# Altium PCB USB3.0HUB.PCBDOC (part 1 of 2)
Units mil, origin at the board's own origin, x right, y up, seen from the top; angles counter-clockwise.
Board outline 3976.38 x 2834.65 mil, 2 copper layers (Top Layer, Bottom Layer); 103 components, 87 nets, 409 pads, 1014 vias.
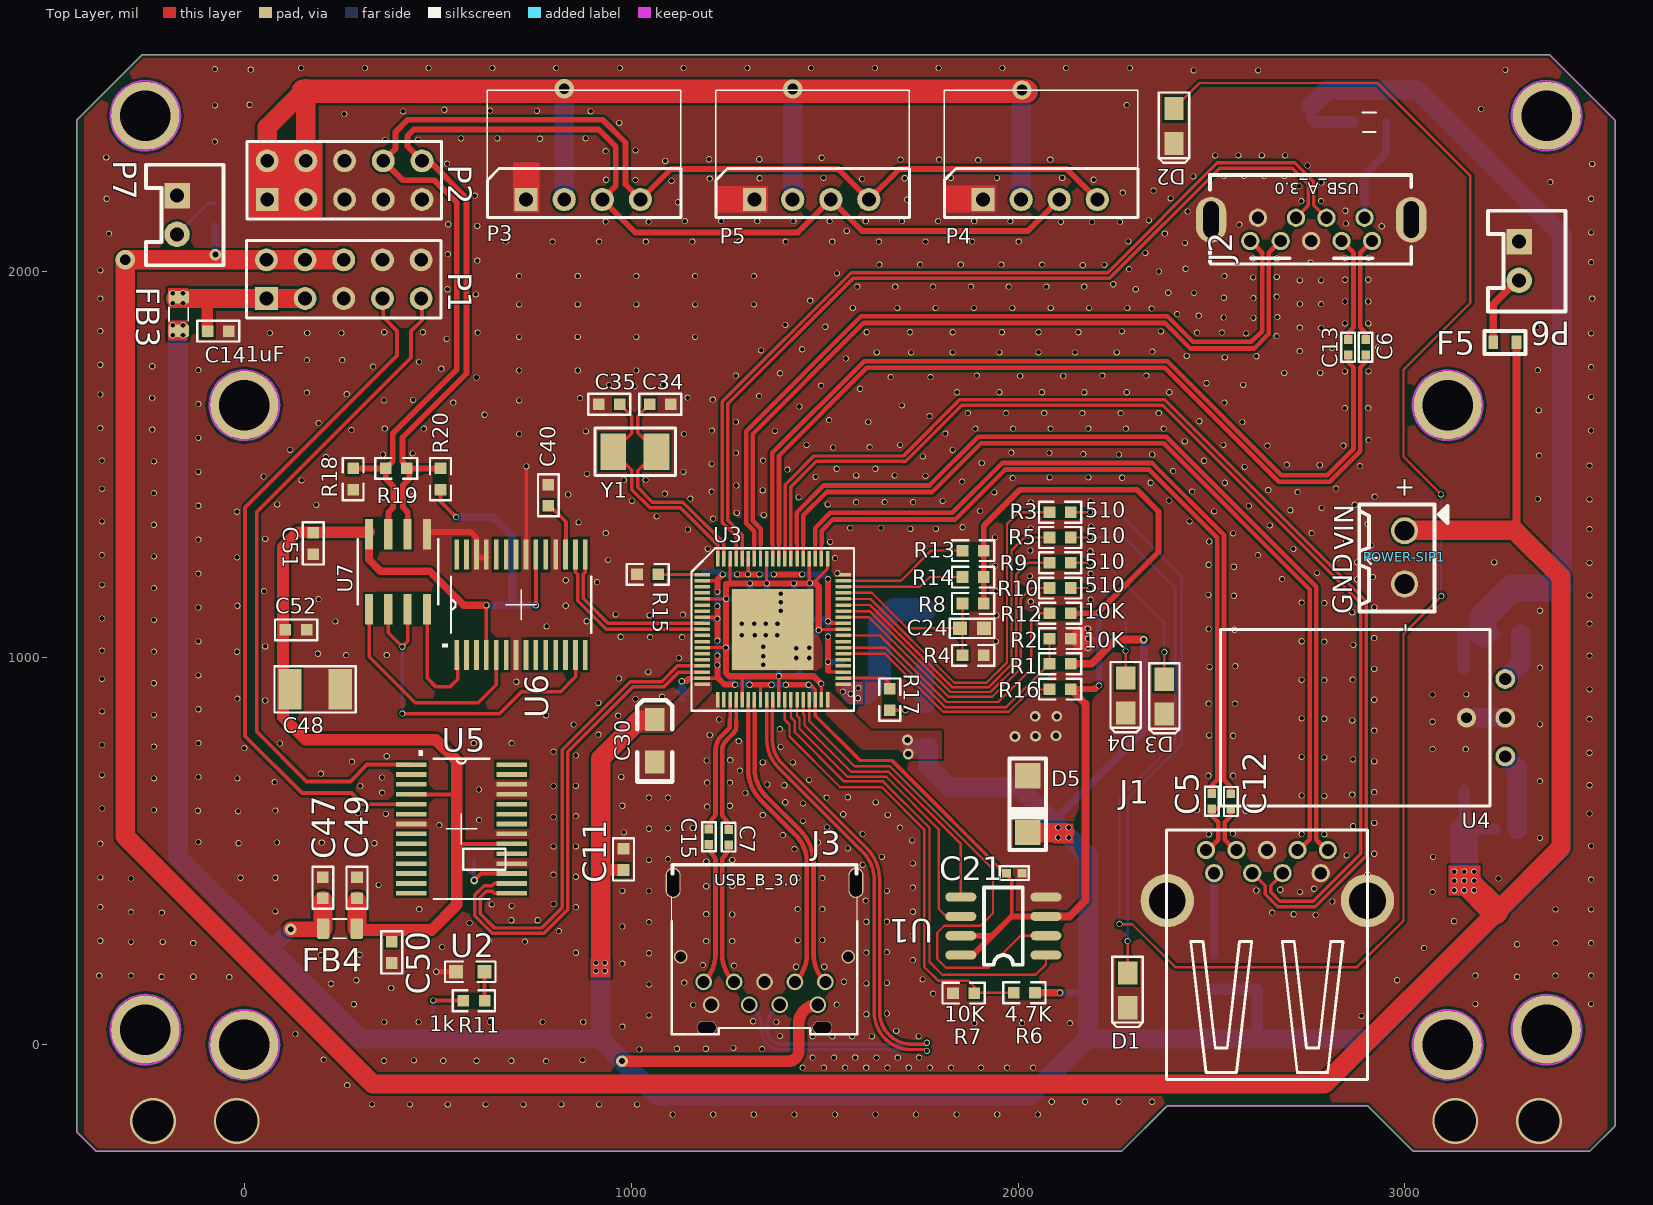
[diagram p0: Top Layer view]
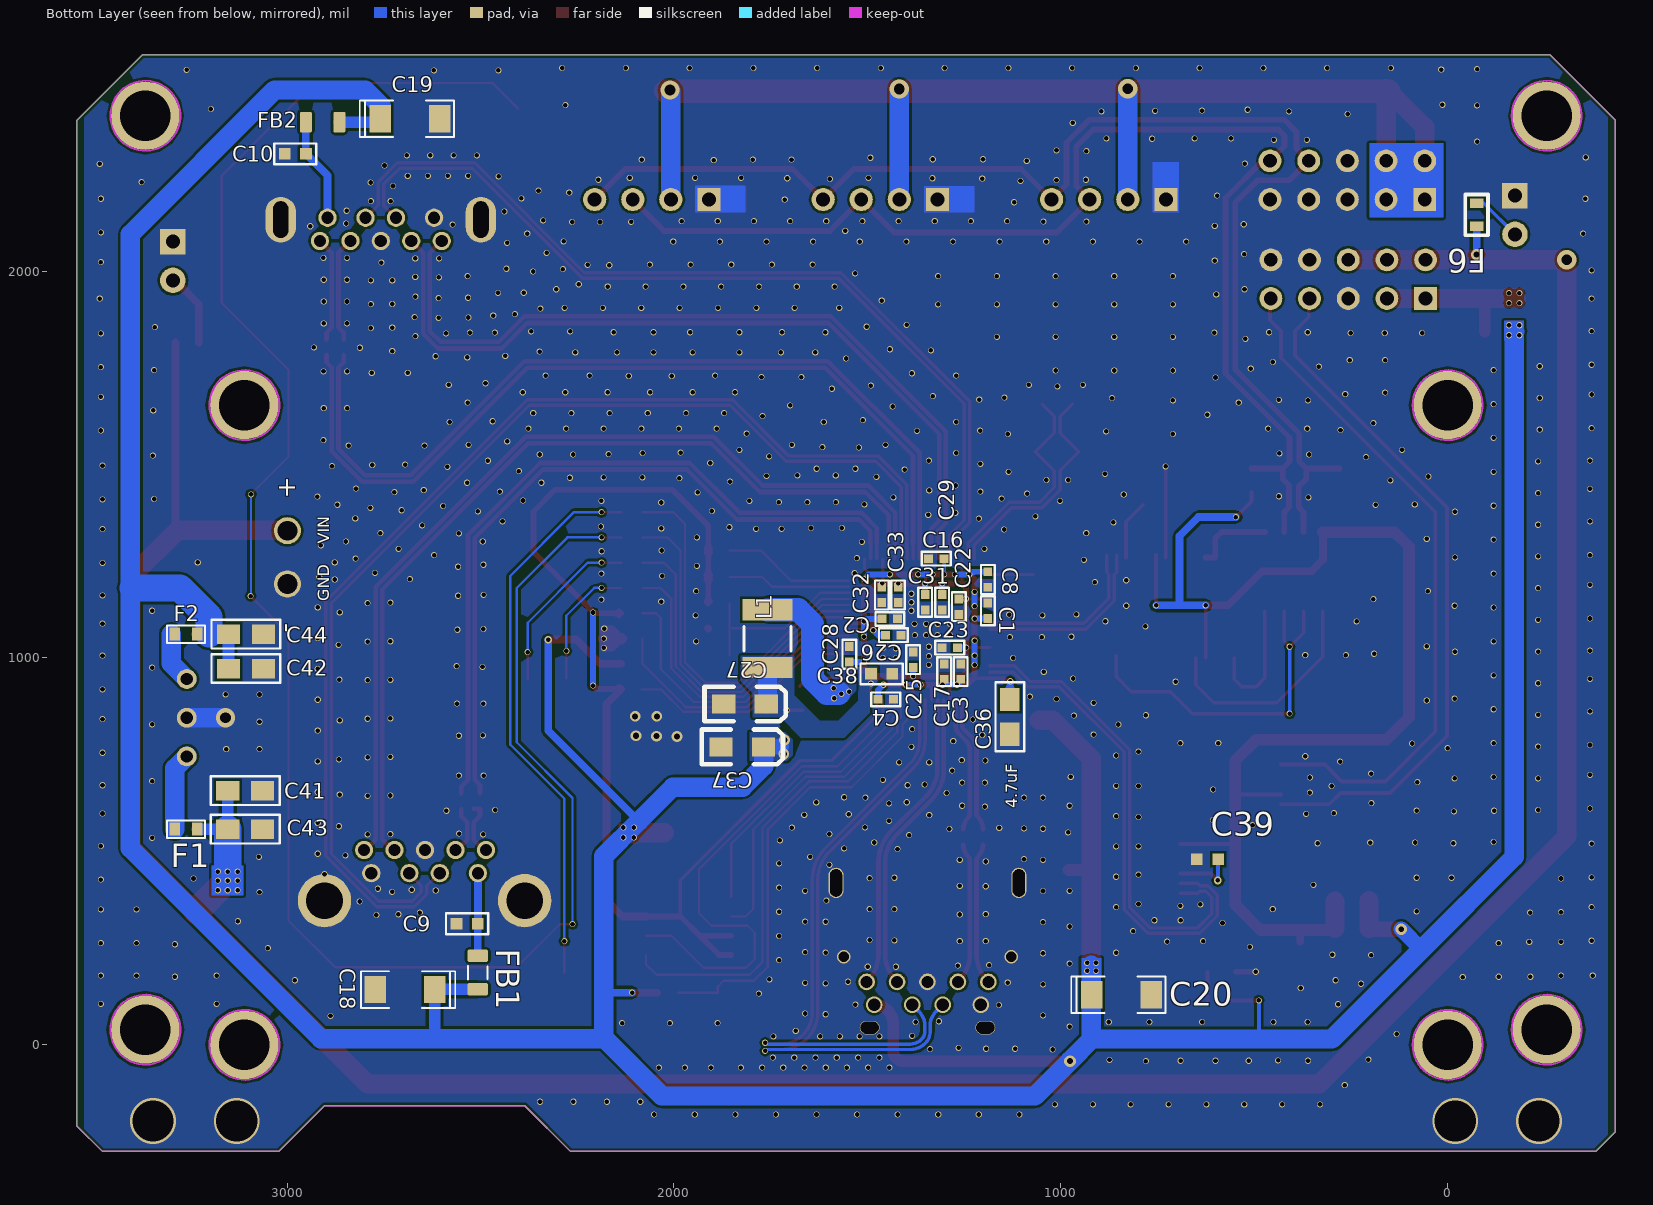
[diagram p1: Bottom Layer view, seen from below]

## Layer stack, top to bottom
Top Solder: solder mask 0.4, Solder Resist, Dk 3.5
Top Layer: signal copper 1.6
Dielectric1: dielectric 12.6, FR-4, Dk 4.8
Bottom Layer: signal copper 1.6
Bottom Solder: solder mask 0.4, Solder Resist, Dk 3.5

## Board outline
-433.07,-225.4 -382.88,-275.59 2267.12,-275.59 2385.23,-157.48 2903.01,-157.48 3021.12,-275.59 3477.12,-275.59 3543.31,-209.4 3543.31,2389.36 3373.61,2559.06 -264.43,2559.06 -432.99,2390.49 -433.07,2390.49

## Design rules (kind name [scope] priority, off if disabled: settings)
Clearance Clearance_GND [All vs InNet('DGND')] p1: gap=6
Clearance DiffPair_With [(InDifferentialPairClass('All Differential Pairs')) vs (InDifferentialPairClass('All Differential Pairs'))] p2: gap=5
Clearance [All] p3: gap=5
ComponentClearance [All] p1: gap=0 collisioncheckmode=3 verticalgap=0 showdistances=FALSE
DiffPairsRouting DiffPairsRouting_USB3.0 [InDifferentialPair ('SSTX1E') Or InDifferentialPair ('SSRX3') Or InDifferentialPair ('SSTX1') Or InDifferentialPair ('SSRX2') Or InDifferentialPair ('SSRX0') Or InDifferentialPair ('SSTX2E') Or InDifferentialPair ('SSX') Or InDifferentialPair ('SSTX2') Or InDifferentialPair ('SSRX4') Or InDifferentialPair ('SSTX0E') Or InDifferentialPair ('SSTX3') Or InDifferentialPair ('SSRX1') Or InDifferentialPair ('SSTX4') Or InDifferentialPair ('SSTX0') Or InDifferentialPair ('SSTX4E') Or InDifferentialPair ('SSTX3E')] p1: maxlimit=5 minlimit=5 mostfreqgap=5 toplayer_minwidth=6 toplayer_maxwidth=15 toplayer_prefwidth=12 bottomlayer_minwidth=6 bottomlayer_maxwidth=15 bottomlayer_prefwidth=12 maxuncoupledlength=1000
DiffPairsRouting DiffPairsRouting_USB2.0 [InDifferentialPair ('USBDP') Or InDifferentialPair ('USBHP1') Or InDifferentialPair ('USBHP2') Or  InDifferentialPair ('USBHP3') Or  InDifferentialPair ('USBHP4')] p2: maxlimit=5 minlimit=5 mostfreqgap=5 toplayer_minwidth=4 toplayer_maxwidth=9 toplayer_prefwidth=9 bottomlayer_minwidth=4 bottomlayer_maxwidth=9 bottomlayer_prefwidth=9 maxuncoupledlength=1000
HoleSize [All] p1: absolutevalues=TRUE maxlimit=196.85 minlimit=1 maxpercent=80.000 minpercent=20.000
HoleToHoleClearance [All] p1: gap=6 allowstackedmicrovias=TRUE
MinimumSolderMaskSliver [All] p1: minsoldermaskwidth=0
PlaneClearance GND_CLEAR [OnLayer('Keep-Out Layer')] p1: clearance=20
PlaneClearance [All] p2: clearance=10
PlaneConnect [All] p1: planeconnectstyle=Direct reliefexpansion=20 reliefentries=4 reliefconductorwidth=10 reliefairgap=10
PolygonConnect [All] p1: connectstyle=Direct reliefconductorwidth=10 reliefentries=4 polygonreliefangle="90 Angle" airgapwidth=10
RoutingVias [All] p1: holewidth=11.81 width=15.75 viastyle="Through Hole" minholewidth=11.81 minwidth=15.75 maxholewidth=157.48 maxwidth=196.85
SilkToSilkClearance [All] p1: silktosilkclearance=0
SilkToSolderMaskClearance SilkscreenOverComponentPads [IsPad] p1: minsilkscreentomaskgap=0 clearancetoexposedcopper=TRUE
SolderMaskExpansion [All] p1: expansion=4
Width DiffPair_Width [InDifferentialPair('SSTX1E') Or InDifferentialPair('SSRX3') Or InDifferentialPair('SSTX1') Or InDifferentialPair('SSRX2') Or InDifferentialPair('SSRX0') Or InDifferentialPair('SSTX2E') Or InDifferentialPair('USBHP1') Or InDifferentialPair('SSX') Or InDifferentialPair('USBDP') Or InDifferentialPair('SSTX2') Or InDifferentialPair('SSRX4') Or InDifferentialPair('SSTX0E') Or InDifferentialPair('SSTX3') Or InDifferentialPair('USBHP2') Or InDifferentialPair('SSRX1') Or InDifferentialPair('USBHP4') Or InDifferentialPair('SSTX4') Or InDifferentialPair('SSTX0') Or InDifferentialPair('SSTX4E') Or InDifferentialPair('SSTX3E') Or InDifferentialPair('USBHP3')] p1: maxlimit=12 minlimit=9 preferedwidth=12
Width [All] p2: maxlimit=100 minlimit=6 preferedwidth=6 minimp=50.000000 maximp=50.000000 favimp=50.000000
21 further rules are at their usual default settings.

## Classes and differential pairs
component class 485: C39 C40 C41 C42 C43 C44 C46 C47 C48 C49 C50 C51 C52 F1 F2 F5 F6 FB4 P1 P2 P3 P4 P5 P6 P7 POWER-SIP1 R18 R19 R20 U4 U5 U6 U7
component class USB3.0HUB: C1 C2 C3 C4 C5 C6 C7 C8 C9 C10 C11 C12 C13 C14 C15 C16 C17 C18 C19 C20 C21 C22 C23 C24 C25 C26 C27 C28 C29 C30 C31 C32 C33 C34 C35 C36 C37 C38 D1 D2 D3 D4 D5 FB1 FB2 FB3 J1 J2 J3 L1 R1 R2 R3 R4 R5 R6 R7 R8 R9 R10 R11 R12 R13 R14 R15 R16 R17 U1 U2 U3 Y1
differential pair USBHP4: +USBHP4_P -USBHP4_N
differential pair USBHP3: +USBHP3_P -USBHP3_N
differential pair USBHP2: +USBHP2_P -USBHP2_N
differential pair USBHP1: +USBHP1_P -USBHP1_N
differential pair USBDP: +USBDP_P -USBDP_N
differential pair SSX: +SSX_P -SSX_N
differential pair SSTX2: +SSTX2_P -SSTX2_N
differential pair SSTX2E: +SSTX2E_P -SSTX2E_N
differential pair SSTX1: +SSTX1_P -SSTX1_N
differential pair SSTX1E: +SSTX1E_P -SSTX1E_N
differential pair SSTX0: +SSTX0_P -SSTX0_N
differential pair SSTX0E: +SSTX0E_P -SSTX0E_N
differential pair SSRX2: +SSRX2_P -SSRX2_N
differential pair SSRX1: +SSRX1_P -SSRX1_N
differential pair SSRX0: +SSRX0_P -SSRX0_N
differential pair 485: +485_P -485_N

## Components (designator, comment, footprint, x,y, rotation, side; value= is the part's Value field where it differs from the comment)
C1 "0.1uF" CAP0402 1188.61,1121.89 r270 bottom
C2 "0.1uF" CAP0402 1441.61,1100.89 r0 bottom
C3 "0.1uF" CAP0402 1258.61,964.89 r270 bottom
C4 "0.1uF" CAP0402 1452.61,892.89 r0 bottom
C5 "0.1uF" CAP0402 2501,630 r270 top
C6 "0.1uF" CAP0402 2898,1803 r90 top
C7 "0.1uF" CAP0402 1252,537 r270 top
C8 "0.1uF" CAP0402 1188.61,1202.89 r90 bottom
C9 "0.1uF" 0603C#1 2562,313 r180 bottom
C10 "0.1uF" 0603C#1 3006,2303 r180 bottom
C11 "0.1uF" 0603C#1 980,507 r270 top
C12 "0.1uF" CAP0402 2550,629 r270 top
C13 "0.1uF" CAP0402 2853,1803 r90 top
C14 "1uF" 0603C#1 -40,1845 r180 top
C15 "0.1uF" CAP0402 1200.88,537.59 r270 top
C16 "0.1uF" CAP0402 1321.61,1256.89 r180 bottom
C17 "0.1uF" CAP0402 1301.61,964.89 r270 bottom
C18 "22uF/16V" TCAP_3528A 2695,143 r0 bottom
C19 "22uF/16V" TCAP_3528A 2682,2394 r180 bottom
C20 "22uF/16V" TCAP_3528A 843,130 r180 bottom
C21 "1uF" CAP0402 1990,444 r180 top
C22 "0.1uF" CAP0402 1263.61,1132.89 r90 bottom
C23 "0.1uF" CAP0402 1286.61,1026.89 r180 bottom
C24 "1uF" CAP0603 1880.61,1076.61 r180 top
C25 "0.1uF" CAP0402 1381.61,995.89 r270 bottom
C26 "0.1uF" CAP0402 1432.61,1058.89 r0 bottom
C27 "10uF" 3216 1761,881 r180 bottom
C28 "0.1uF" CAP0402 1546.61,1009.89 r270 bottom
C29 "0.1uF" CAP0402 1306.61,1143.89 r90 bottom
C30 "10uF" 3216 1060.61,840.89 r90 top
C31 "0.1uF" CAP0402 1350.61,1143.89 r90 bottom
C32 "0.1uF" CAP0402 1462.61,1162.89 r90 bottom
C33 "0.1uF" CAP0402 1420.61,1162.89 r90 bottom
C34 "18pF" 0603C#1 1102.61,1655.89 r180 top
C35 "18pF" 0603C#1 915.61,1655.89 r0 top
C36 "4.7uF" 0805C 1131.61,802.89 r90 bottom
C37 "10uF" 3216 1768,770 r180 bottom
C38 "1uF" 0603C#1 1435.61,958.89 r0 bottom
C39 "100nF (104) 10% 50V" 0603C#2 593,480 r180 bottom
C40 "100nF (104) 10% 50V" 0603C#1 786,1393 r90 top
C41 "0805" 0805C 3063.09,657.07 r0 bottom
C42 "0805" 0805C 3061.09,972.57 r0 bottom
C43 "0805" 0805C 3063.09,557.57 r0 bottom
C44 "0805" 0805C 3061.09,1061.57 r0 bottom
C47 "0.1uF" 0603C#1 203.09,433.57 r270 top
C48 "22uF" CAP1210 183,919 r0 top
C49 "0.1uF" 0603C#1 291.09,433.57 r270 top
C50 "0.1uF" 0603C#1 381.09,211.57 r90 top
C51 "1nF" 0603C#1 178.09,1268.57 r90 top
C52 "4.7uF" 0603C#1 161.09,1072.57 r180 top
D1 "LED-0805-BLUE" 0805D 2283,141 r270 top
D2 "LED-0805-BLUE" 0805D 2403,2375 r270 top
D3 "LED-0805-BLUE" 0805D 2378,900 r270 top
D4 "LED-0805-BLUE" 0805D 2278,903 r270 top
D5 "Z5.1" DO-214AC 2025,622 r270 top
F1 "Fuse_0603" 0603Fuse 3261.09,557.57 r180 bottom
F2 "Fuse_0603" 0603Fuse 3261.09,1061.57 r180 bottom
F5 "Fuse_0603" 0603 3288.09,1815.57 r270 top
F6 "Fuse_0603" 0603 -74.91,2115.57 r0 bottom
FB1 "BEAD-CB-2012ES" FBC2012N#1 2507,187 r270 bottom
FB2 "BEAD-CB-2012ES" FBC2012N#2 2908,2385 r0 bottom
FB3 "BEAD-CB-2012ES" FBC2012N#1 -170,1889 r270 top
FB4 "BEAD-CB-2012ES/2" FBC2012N#1 247.09,300.57 r180 top
J1 "USB-UEA11123-4HK1-4H" USB_A_3.0 2643.09,503.57 r0 top
J2 "USB-UEA11123-4HK1-4H" USB_A_3.0_Vertical 2915,2078 r180 top locked
J3 "USB-UEA11123-4HK1-4H/2" USB_B_3.0_VERTICAL 1187.01,162.64 r0 top locked
L1 "10uH/CD43" INDC4532L 1758,1050 r270 bottom
P1 "Header 5X2" HDR2X5-MALE 57,1929.13 r0 top
P2 "Header 5X2" HDR2X5-MALE 59.06,2185.04 r0 top
P3 "5264-4" "5264-4 - wan" 728.35,2185.04 r0 top
P4 "5264-4" "5264-4 - wan" 1909.45,2185.04 r0 top
P5 "5264-4" "5264-4 - wan" 1318.9,2185.04 r0 top
P6 "FAN_12V" XH_2_V 3295,2076 r90 top
P7 "FAN_12V" XH_2_V -174,2195 r90 top
POWER-SIP1 "2P立式接线座" POWER-SIP2 2999,1329 r90 top
R1 "5.1K" 0603R 2136.11,984.9 r180 top
R2 "10K" 0603R 2136.11,1050.19 r180 top
R3 "510" 0603R 2081.11,1376.61 r0 top
R4 "100K" 0603R 1856.11,1006.61 r0 top
R5 "510" 0603R 2081.11,1311.33 r0 top
R6 "4.7K" 0603R 2043.61,134.89 r180 top
R7 "10K" 0603R 1886.61,133.89 r180 top
R8 "10K" 0603R 1911.11,1140.81 r180 top
R9 "510" 0603R 2081.11,1246.04 r0 top
R10 "510" 0603R 2081.11,1180.76 r0 top
R11 "1k" 0603R 566,114 r0 top
R12 "10K" 0603R 2136.11,1115.47 r180 top
R13 "10K" 0603R 1911.11,1277.61 r180 top
R14 "10K" 0603R 1911.11,1209.21 r180 top
R15 "6.04K/1%" 0603R 1070,1216 r180 top
R16 "10K" 0603R 2136.11,919.61 r180 top
R17 "NC" 0603R 1668,865 r90 top
R18 "1KΩ (1001) ±1%" 0603R 281,1490 r270 top
R19 "120Ω (1200) ±1%" 0603R 420,1490 r180 top
R20 "1KΩ (1001) ±1%" 0603R 507,1435 r90 top
U1 "25LD512" SO-8 2072,232 r180 top
U2 "LED-LT8A23-51-UR96-T5" 0603_led_dr 584,189 r180 top
U3 "VL812-Q7" QFN76-15P7-TH 1365.61,1073.89 r270 top
U4 "K7805-1500" K78X6-1500(L) 3259.09,845.57 r0 top locked
U5 "FT232rl" SSOP-28 561,558 r0 top
U6 "FT232rl" SSOP-28 715.09,1137.57 r90 top
U7 "MAX3443EASA" 21-0041B_8 397,1223 r90 top
Y1 "25MHz" 8MHZ_5032 1009.61,1532.89 r180 top

## Footprints (in the part's own frame and the unit in brackets; to place one, negate y for a bottom-side part, rotate by r counter-clockwise, add the part's x,y. Pads: shape width x height; smd on the part's side, far side on the other; paste and mask are expansions set on the pad)
8MHZ_5032 [mm]
  rect 1.7x2.4 smd: 1(-1.425,0) 2(1.425,0)
  silkscreen extent -2.65,-1.55 2.63,1.55, body extent -2.51,-1.61 2.49,1.59, height 0.9
21-0041B_8 [mil]
  rect 78x21 smd: 1(-97,75) 2(-97,25) 3(-97,-25) 4(-97,-75) 5(97,-75) 6(97,-25) 7(97,25) 8(97,75)
  silkscreen extent -84,-104 84,104, body extent -127,-99 117,98, height 69
0603 [mil]
  rect 35x25 smd mask+4: 1(0,0) 2(0,-60)
  silkscreen extent -30,-82 30,23
0603_led_dr [mm]
  rect 0.9x0.9 smd: 1(-0.936,0) 2(0.936,0)
  silkscreen extent -1.66,-0.67 1.65,0.67, body extent -0.81,-0.4 0.81,0.4, height 0.39
0603C#1 [mil]
  rect 30x30 smd: 1(0,0) 2(55,0)
  silkscreen extent -27,-27 82,27, body extent -4,-16 58,16, height 12
0603C#2 [mil]
  rect 30x30 smd: 1(0,0) 2(-55,0)
  body extent -58,-16 4,16, height 12
0603Fuse [mm] "0603贴片保险丝"
  rect 0.7x0.85 smd: 1(-0.736,0) 2(0.736,0)
  silkscreen extent -1.25,-0.58 1.25,0.58, body extent -0.8,-0.4 0.8,0.4, height 0.73
0603R [mil]
  rect 30x30 smd: 1(0,0) 2(55,0)
  silkscreen extent -27,-27 82,27, body extent -4,-18 58,16, height 18
0805C [mil]
  rect 60x50 smd: 1(0,0) 2(90,0)
  silkscreen extent -44,-37 134,37, body extent 5,-25 83,25, height 31
0805D [mil]
  rect 60x50 smd: 1(-45,0) 2(45,0)
  silkscreen extent -87,-39 95,39, body extent -63,-32 63,30, height 42
3216 [mil]
  rect 60x50 smd: 1(0,0) 2(-110,0)
  silkscreen extent -160,-45 50,45, body extent -151,-35 38,36, height 73
"5264-4 - wan" [mil]
  rect 60x59.05 hole 36: 1(0,0)
  round 60 hole 36: 2(98.43,0) 3(196.85,0) 4(295.28,0)
  silkscreen extent -100,-46 400,282, body extent -101,-16 391,283, height 197
CAP0402 [mil]
  rect 23x22 smd: 1(-20,0) 2(20,0)
  silkscreen extent -37,-18 37,18
CAP0603 [mil]
  rect 37x35 smd: 1(-31,0) 2(31,0)
  silkscreen extent -58,-25 58,25
CAP1210 [mil]
  rect 60x105 smd: 1(65,0) 2(-65,0)
  silkscreen extent -105,-60 105,60, body extent -60,-49 66,49, height 37
DO-214AC [mm]
  rect 1.655x1.67 smd: 1(1.865,0) 2(-1.865,0)
  silkscreen extent -3,-1.2 3,1.2, body extent -2.74,-1.4 2.74,1.4, height 2.3
FBC2012N#1 [mm] "Ferrite Bead Chip, Body 2.0x1.2mm, 0805, IPC Medium Density"
  round 0.508 on Mech14: 0(0,0)
  rrect25% 0.8x1.35 smd: 1(-1.1,0) 2(1.1,0)
  silkscreen extent -0.43,-0.64 0.46,0.64, body extent -1,-0.62 1,0.63, height 0.9
FBC2012N#2 [mm] "Ferrite Bead Chip, Body 2.0x1.2mm, 0805, IPC Medium Density"
  round 0.508 on Mech14: 0(0,0)
  rrect25% 0.8x1.35 smd: 1(1.1,0) 2(-1.1,0)
  body extent -1,-0.62 1,0.63, height 0.9
HDR2X5-MALE [mm] "Connector; Header; 4x2 Position"
  rect 1.5x1.5 hole 0.9: 1(0,0)
  round 1.5 hole 0.9: 2(0,2.54) 3(2.54,0) 4(2.54,2.54) 5(5.08,0) 6(5.08,2.54) 7(7.62,0) 8(7.62,2.54) 9(10.16,0) 10(10.16,2.54)
  silkscreen extent -1.32,-1.27 11.46,3.81, body extent -1.27,-1.3 11.43,3.78, height 3.2
INDC4532L [mm] "Chip Inductor, Body 4.5x3.2mm, IPC High Density"
  rect 1.4x3.3 smd: 1(-1.9,0) 2(1.9,0)
  silkscreen extent -0.8,-1.55 0.8,1.55, body extent -2.4,-1.7 2.4,1.7, height 0.55
K78X6-1500(L) [mm]
  round 1.3 hole 0.8: 1(0,-2.54) 2(0,0) 3(0,2.54)
  silkscreen extent -18.7,-5.8 -1,5.8, body extent -18.7,-5.75 0.3,5.75, height 9.02
POWER-SIP2 [mil] "TX1转接板电源口"
  round 70 hole 51.18 mask+4: 1(0,0) 2(-137.8,0)
  silkscreen extent -209,-111 68,117
QFN76-15P7-TH [mil]
  rect 9x40 smd: 1(-141.73,-182.16) 2(-125.98,-182.16) 3(-110.24,-182.16) 4(-94.49,-182.16) 5(-78.74,-182.16) 6(-62.99,-182.16) 7(-47.24,-182.16) 8(-31.5,-182.16) 9(-15.75,-182.16) 10(0,-182.16) 11(15.75,-182.16) 12(31.5,-182.16) 13(47.24,-182.16) 14(62.99,-182.16) 15(78.74,-182.16) 16(94.49,-182.16) 17(110.24,-182.16) 18(125.98,-182.16) 19(141.73,-182.16) 39(141.73,182.16) 40(125.98,182.16) 41(110.24,182.16) 42(94.49,182.16) 43(78.74,182.16) 44(62.99,182.16) 45(47.24,182.16) 46(31.5,182.16) 47(15.75,182.16) 48(0,182.16) 49(-15.75,182.16) 50(-31.5,182.16) 51(-47.24,182.16) 52(-62.99,182.16) 53(-78.74,182.16) 54(-94.49,182.16) 55(-110.24,182.16) 56(-125.98,182.16) 57(-141.73,182.16)
  rect 40x9 smd: 20(182.16,-141.73) 21(182.16,-125.98) 22(182.16,-110.24) 23(182.16,-94.49) 24(182.16,-78.74) 25(182.16,-62.99) 26(182.16,-47.24) 27(182.16,-31.5) 28(182.16,-15.75) 29(182.16,0) 30(182.16,15.75) 31(182.16,31.5) 32(182.16,47.24) 33(182.16,62.99) 34(182.16,78.74) 35(182.16,94.49) 36(182.16,110.24) 37(182.16,125.98) 38(182.16,141.73) 58(-182.16,141.73) 59(-182.16,125.98) 60(-182.16,110.24) 61(-182.16,94.49) 62(-182.16,78.74) 63(-182.16,62.99) 64(-182.16,47.24) 65(-182.16,31.5) 66(-182.16,15.75) 67(-182.16,0) 68(-182.16,-15.75) 69(-182.16,-31.5) 70(-182.16,-47.24) 71(-182.16,-62.99) 72(-182.16,-78.74) 73(-182.16,-94.49) 74(-182.16,-110.24) 75(-182.16,-125.98) 76(-182.16,-141.73)
  rect 210x210 smd: G1(0,0)
  silkscreen extent -210,-210 210,210, body extent -179,-179 179,179, height 39
SO-8 [mil]
  oval 80x24 smd: 1(0,0) 2(0,-50) 3(0,-100) 4(0,-150) 5(220,-150) 6(220,-100) 7(220,-50) 8(220,0)
  silkscreen extent 60,-175 160,25, body extent -11,-172 225,21, height 64
SSOP-28 [mm]
  rect 2x0.305 smd: 1(-3.3,4.225) 2(-3.3,3.575) 3(-3.3,2.925) 4(-3.3,2.275) 5(-3.3,1.625) 6(-3.3,0.975) 7(-3.3,0.325) 8(-3.3,-0.325) 9(-3.3,-0.975) 10(-3.3,-1.625) 11(-3.3,-2.275) 12(-3.3,-2.925) 13(-3.3,-3.575) 14(-3.3,-4.225) 15(3.3,-4.225) 16(3.3,-3.575) 17(3.3,-2.925) 18(3.3,-2.275) 19(3.3,-1.625) 20(3.3,-0.975) 21(3.3,-0.325) 22(3.3,0.325) 23(3.3,0.975) 24(3.3,1.625) 25(3.3,2.275) 26(3.3,2.925) 27(3.3,3.575) 28(3.3,4.225)
  silkscreen extent -2.8,-4.6 1.84,5.18, body extent -3.88,-5.16 3.88,5.17, height 2.16
TCAP_3528A [mm]
  rect 1.4x1.8 smd: 1(-1.95,0) 2(1.95,0)
  silkscreen extent -3.3,-1.2 2.9,1.2, body extent -1.8,-1.4 1.8,1.4, height 1.8
USB_A_3.0 [mm]
  round 1.2 hole 0.8: 1(-3.466,-1.52) 2(-0.966,-1.52) 3(1.034,-1.52) 4(3.531,-1.52) 5(4.004,0) 6(2.004,0) 7(0,0) 8(-1.996,0) 9(-3.996,0)
  round 3.5 hole 2.4: G1(-6.536,-3.32) G2(6.604,-3.32)
  silkscreen extent -6.6,-15.07 6.6,1.33, body extent -8.03,-15.31 8.07,1.17, height 7.82
USB_A_3.0_Vertical [mm]
  round 1.2 hole 0.8: 1(0.5,-1.52) 2(3,-1.52) 3(5,-1.52) 4(7.5,-1.52) 5(8,0) 6(6,0) 7(4,0) 8(2.004,0) 9(0,0)
  oval 2x3 hole 1 slot 2.4 at 90 deg: G1(-2.57,-1.4) G2(10.57,-1.4)
  silkscreen extent -2.6,-4.32 10.64,1.52
USB_B_3.0_VERTICAL [mm] "USB3.0-A"
  round 1.092 hole 0.8: 1(7.5,-1.5) 2(5,-1.5) 3(3,-1.5) 4(0.5,-1.5) 5(0,0) 6(2,0) 7(4,0) 8(6,0) 9(8,0)
  oval 1x2 hole 0.8 slot 1.8 at 90 deg: G1(-2,6.5) G1(10,6.5)
  oval 1.3x0.9 hole 0.8 slot 1.2 at 0 deg: G2(0.2,-3) G2(7.8,-3)
  silkscreen extent -2.1,-3.43 10.1,7.7
XH_2_V [mil]
  rect 66x66 hole 36: 1(0,0)
  round 66 hole 36: 2(-100,0)
  silkscreen extent -180,-120 80,80, body extent -196,-134 96,93, height 276

## Part data
C1 C2 C3 C4 C5 C6 C7 C8 C9 C10 C11 C12 C13 C14 C15 C16 C17 C18 C19 C20 C21 C22 C23 C24 C25 C26 C27 C28 C29 C30 C31 C32 C33 C34 C35 C36 C37 C38 C47 C48 C49 C50 C51 C52: library part Cap, "Capacitor"
C39 C40: library part "0603 10nF (103) 10% 50V", "贴片电容"
C41 C42 C43 C44: library part Cap0805
D1 D2 D3 D4 U2: library part LED
D5: library part Diode, "5.1V稳压二极管"
FB1 FB2 FB3 FB4: library part Inductor_1, "FUSE_1A or 0R"
J1 J2: library part USB_DSP_FEMALE
J3: library part USB_DSP_MALE
L1: library part "INDUCTOR IRON", "贴片功率电感 1A"
P1 P2: "Header, 4-Pin, Dual row"
P3 P4 P5: "电机连接线"
P6 P7: library part "Header 2H", "Header, 2-Pin, Right Angle"
POWER-SIP1: library part CON2, "Connector"
R1 R2 R3 R4 R5 R6 R7 R8 R9 R10 R11 R12 R13 R14 R15 R16 R17: library part Res, "贴片电阻"
R18 R20: library part "0603 1KΩ (1001) 1%", "贴片电阻"
R19: library part "0603 120Ω (1200) 1%", "贴片电阻"
U1: library part MX25L512
U3: "QFN76-15P7-TH"
U7: "MAX3443E Series 7V 2.5 to 10 Mbps Half-Duplex SMT RS-485 Transceiver - SOIC-8"
Y1: library part XTAL_1, "Crystal Oscillator"

## Free pads (board coordinates)
  round 177.17 hole 129.92: 0(-255.91,39.37) 0(-255.91,2401.57) 0(0,0) 0(3110.24,0) 0(3110.24,1653.54) 0(3366.14,39.37) 0(3366.14,2401.57)
  round 177.17 hole 129.92 unplated: 0(0,1653.54)

## Via types
v1: diameter 15.75, hole 11.81, Top Layer to Bottom Layer, 991 vias
v2: diameter 27.56, hole 15.75, Top Layer to Bottom Layer, 7 vias
v3: diameter 50, hole 28, Top Layer to Bottom Layer, 5 vias
v4: diameter 118.11, hole 106.3, Top Layer to Bottom Layer, 4 vias
v5: diameter 30, hole 15, Top Layer to Bottom Layer, 3 vias
v6: diameter 20, hole 11.81, Top Layer to Bottom Layer, 2 vias
v7: diameter 35.43, hole 27.56, Top Layer to Bottom Layer, 2 vias

## Nets (pads, with @x,y where several pads share a name; then routed paths per layer and width w, separated by ;. In a path a pad name is that pad's centre, name@x,y a point inside that pad or via, vN(x,y) a via of type N, cw(c..) or ccw(c..) an arc to the next point about the centre after c; other vN are vias at no path point)
1_2V: C22.2 C23.2 C25.2 C26.2 C27.1 C29.2 C31.2 C32.2 C33.2 C38.2 L1.2 R17.1 U3.5 U3.13 U3.24 U3.30 U3.37 U3.48 U3.58 U3.61 U3.68 U3.74 | length 1992
  Top Layer w8: U3.13@1183.45,1026.65 v1@1243.86,1026.65 ; U3.5@1183.45,1152.63 v1@1243.35,1152.63 ; U3.74@1255.38,1256.05 1255.61,1255.82 1255.61,1193.69 ; U3.24@1286.87,891.72 1286.87,951.63 ; v1@1349.87,1193.64 U3.68@1349.87,1256.05 ; U3.30@1381.36,891.72 v1@1381.36,951.64 ; v1@1460.1,1193.4 U3.61@1460.1,1256.05 ; 1470.13,1193.4 1507.35,1230.62 U3.58@1507.35,1256.05 ; v1@1490.61,1073.89 U3.48@1547.78,1073.89 ; U3.37@1491.6,891.72 v1@1491.6,932.91 ; 1234.67,1026.65 ccw(c1234.67,1036.83) 1241.87,1029.63 cw(c1234.67,1036.83) 1234.67,1026.65 ; 1235.13,1152.63 ccw(c1235.13,1162.87) 1242.37,1155.63 cw(c1235.13,1162.87) 1235.13,1152.63 ; 1235.85,1026.65 cw(c1235.85,1018.13) 1241.87,1024.15 ccw(c1235.85,1018.13) 1235.85,1026.65 ; 1236.39,1152.63 cw(c1236.39,1144.16) 1242.37,1150.15 ccw(c1236.39,1144.16) 1236.39,1152.63 ; 1349.87,1204.05 ccw(c1361.77,1204.05) 1353.35,1195.63 cw(c1361.77,1204.05) 1349.87,1204.05 ; v1@1378.87,950.15 cw(c1372.87,944.15) 1381.36,944.15 ccw(c1372.87,944.15) v1@1378.87,950.15 ; 1381.36,942.93 cw(c1391.58,942.93) 1384.35,950.15 ccw(c1391.58,942.93) 1381.36,942.93 ; 1460.1,1207.31 ccw(c1478.03,1207.31) 1465.35,1194.63 cw(c1478.03,1207.31) 1460.1,1207.31 ; v1@1462.61,1195.76 ccw(c1462.61,1219.6) 1479.47,1202.75 cw(c1462.61,1219.6) v1@1462.61,1195.76 ; v1@1487.35,1069.15 cw(c1498.8,1057.71) 1498.8,1073.89 ccw(c1498.8,1057.71) v1@1487.35,1069.15 ; v1@1487.87,931.15 cw(c1478.89,922.16) 1491.6,922.16 ccw(c1478.89,922.16) v1@1487.87,931.15
  Top Layer w10: R17.1@1668,865 v1(1709,865)
  Top Layer w16: v1@1460.1,1192.89 1450.61,1192.89 ; v1(1484.61,1071.89) 1484.61,1184.69 1476.41,1192.89 1450.61,1192.89 ; v1@1491.6,932.91 1471.61,952.89 1253.61,952.89 1244.61,961.89 1244.61,1190.89 1252.82,1190.89 1254.82,1192.89 1450.61,1192.89
  Bottom Layer w16: v1(1244.61,1026.89) C23.2@1266.61,1026.89 ; v1(1245.11,1152.89) C22.2@1263.61,1152.89 ; C29.2@1306.61,1163.89 v1(1306.61,1192.89) ; C31.2@1350.61,1163.89 v1(1350.61,1192.89) ; v1(1381.61,952.89) C25.2@1381.61,975.89 ; C33.2@1420.61,1182.89 v1(1420.61,1192.89) ; C26.2@1452.61,1058.89 1471.61,1058.89 v1(1484.61,1071.89) ; C32.2@1461.72,1192.78 1462.61,1191.89 C32.2@1462.61,1182.89
  Bottom Layer w50: L1.2@1758,975.2 1758,884 C27.1@1761,881
  other v1: 1490.61,933.89 1461.72,1193.86
3_3V: C1.2 C2.2 C3.2 C4.2 C8.2 C16.2 C17.2 C21.2 C28.2 C36.2 R8.1 R12.1 R13.1 R14.1 R16.1 U1.3 U1.7 U1.8 U3.2 U3.8 U3.18 U3.27 U3.36 U3.41 U3.49 U3.71 | length 5873.3
  Top Layer w8: v1(1458.61,930.89) 1463.61,930.89 1475.85,918.65 U3.36@1475.85,891.72 ; 1511.85,963.65 U3.41@1547.78,963.65 ; v1@1513.87,1089.64 U3.49@1547.78,1089.64 ; v1@1458.61,927.02 cw(c1458.61,905.59) 1473.76,920.74 ccw(c1458.61,905.59) v1@1458.61,927.02 ; v1@1511.35,1097.63 ccw(c1530.65,1116.92) 1530.65,1089.64 cw(c1530.65,1116.92) v1@1511.35,1097.63
  Top Layer w9: 1148.61,947.91 U3.18@1183.45,947.91 1220.63,947.91 ; U3.8@1183.45,1105.39 1218.12,1105.39 v1@1222.61,1100.89 ; U3.2@1183.45,1199.87 1220.6,1199.87 ; v1@1302.62,1215.9 U3.71@1302.62,1256.05 ; U3.27@1334.12,891.72 1334.12,930.39 ; U3.36@1475.85,891.72 1475.85,851.15 1592,735 1674,735 1984,425 1984,333 1983,332 ; 1206.03,1105.39 cw(c1206.03,1085.3) 1220.23,1099.5 ccw(c1206.03,1085.3) 1206.03,1105.39 ; v1@1299.23,1218.28 ccw(c1291.04,1226.47) 1302.62,1226.47 cw(c1291.04,1226.47) v1@1299.23,1218.28
  Top Layer w15: v1(1130.61,939.89) 1142.48,939.89 1148.61,946.03 ; v1(1222.61,1005.89) v1(1222.61,981.89) 1222.61,949.89 1241.11,931.39 v1@1268.11,931.39 ; v1(1222.61,1044.89) v1@1222.61,1100.89 ; v1(1222.61,1101.89) v1(1222.61,1133.89) ; v1(1222.61,1170.89) 1222.61,1201.89 v1(1236.61,1215.89) ; v1(1273.61,1215.89) v1(1301.61,1215.89) ; v1@1302.61,1215.89 v1(1331.61,1215.89) ; v1(1305.61,930.89) v1(1362.61,930.89) ; v1(1368.61,1215.89) v1(1441.61,1215.89) ; v1(1399.61,930.89) v1(1458.61,930.89) ; 1508.61,966.89 v1(1508.61,1055.39) ; v1(1508.61,1094.89) v1(1508.61,1203.89) ; U1.8@1852,232 1883,232 1933,282 ; U1.7@1852,282 1933,282 ; R8.1@1911.11,1140.81 R14.1@1911.11,1209.21 R13.1@1911.11,1277.61 1911.11,1341.61 2004.11,1434.61 2307.39,1434.61 2363.11,1378.89 2363.11,1273.87 2206.97,1117.73 v1@2206.97,1115.47 ; U1.3@2075,332 1983,332 1933,282 ; R16.1@2136.11,919.61 2200.11,919.61 v1(2209.11,928.61) ; R12.1@2136.11,1115.47 v1@2206.97,1115.47 ; v1(2209.11,1117.61) v1@2206.97,1115.47 ; 1911.11,1158.92 cw(c1893,1158.92) 1905.81,1146.12 ccw(c1893,1158.92) 1911.11,1158.92 ; 1911.11,1158.92 ccw(c1929.22,1158.92) 1916.41,1146.12 cw(c1929.22,1158.92) 1911.11,1158.92 ; 1911.11,1191.11 cw(c1929.22,1191.11) 1916.41,1203.91 ccw(c1929.22,1191.11) 1911.11,1191.11 ; 1911.11,1191.11 ccw(c1893,1191.11) 1905.81,1203.91 cw(c1893,1191.11) 1911.11,1191.11 ; 1911.11,1227.32 cw(c1893,1227.32) 1905.81,1214.52 ccw(c1893,1227.32) 1911.11,1227.32 ; 1911.11,1227.32 ccw(c1929.22,1227.32) 1916.41,1214.52 cw(c1929.22,1227.32) 1911.11,1227.32 ; 1911.11,1259.51 cw(c1929.22,1259.51) 1916.41,1272.31 ccw(c1929.22,1259.51) 1911.11,1259.51 ; 1911.11,1259.51 ccw(c1893,1259.51) 1905.81,1272.31 cw(c1893,1259.51) 1911.11,1259.51 ; 1911.11,1295.72 cw(c1893,1295.72) 1905.81,1282.92 ccw(c1893,1295.72) 1911.11,1295.72 ; 1911.11,1295.72 ccw(c1929.22,1295.72) 1916.41,1282.92 cw(c1929.22,1295.72) 1911.11,1295.72 ; 2154.22,919.61 cw(c2154.22,937.72) 2141.41,924.92 ccw(c2154.22,937.72) 2154.22,919.61 ; 2154.22,919.61 ccw(c2154.22,901.51) 2141.41,914.31 cw(c2154.22,901.51) 2154.22,919.61 ; 2154.22,1115.47 cw(c2154.22,1133.58) 2141.41,1120.77 ccw(c2154.22,1133.58) 2154.22,1115.47 ; 2154.22,1115.47 ccw(c2154.22,1097.36) 2141.41,1110.17 cw(c2154.22,1097.36) 2154.22,1115.47 ; 2186.48,919.61 ccw(c2186.48,951.24) 2208.85,928.88 cw(c2186.48,951.24) 2186.48,919.61
  Top Layer w20: U1.3@2072,332 2133,332 2174,373 2174,881.72 R16.1@2136.11,919.61
  Bottom Layer w9: v1(1301.61,1215.89) C16.2@1301.61,1256.89 ; 1301.61,1224.04 ccw(c1309.76,1224.04) 1304,1218.28 cw(c1309.76,1224.04) 1301.61,1224.04 ; 1301.61,1224.04 cw(c1293.47,1224.04) 1299.23,1218.28 ccw(c1293.47,1224.04) 1301.61,1224.04 ; 1301.61,1241.2 ccw(c1285.92,1241.2) 1297.02,1252.29 cw(c1285.92,1241.2) 1301.61,1241.2 ; 1301.61,1241.2 cw(c1317.31,1241.2) 1306.21,1252.29 ccw(c1317.31,1241.2) 1301.61,1241.2
  Bottom Layer w15: C36.2@1131.61,892.89 1130.61,893.89 v1(1130.61,939.89) ; C1.2@1188.61,1101.89 v1(1222.61,1101.89) ; C8.2@1188.61,1222.89 1229.61,1222.89 ; v1(1222.61,981.89) v1(1222.61,1005.89) v1(1222.61,1044.89) ; v1(1222.61,1133.89) v1(1222.61,1170.89) ; v1(1236.61,1215.89) v1(1273.61,1215.89) ; C17.2@1301.61,944.89 1301.61,934.89 v1(1305.61,930.89) v1(1268.61,930.89) 1258.61,940.89 C3.2@1258.61,944.89 ; v1(1331.61,1215.89) v1(1368.61,1215.89) ; v1(1362.61,930.89) v1(1399.61,930.89) ; v1(1441.61,1215.89) 1496.61,1215.89 v1(1508.61,1203.89) ; v1(1458.61,930.89) 1472.61,916.89 C4.2@1472.61,892.89 ; C2.2@1461.61,1100.89 1502.61,1100.89 ; v1(1508.61,989.89) C28.2@1546.61,989.89 ; v1(1508.61,1055.39) v1(1508.61,1094.89) ; v1@2209.11,929.61 v1(2209.11,1117.61) ; v1(1130.61,939.89) ccw(c1170.03,939.89) 1143.43,910.8 cw(c1170.03,939.89) v1(1130.61,939.89) ; C3.2@1258.61,944.89 ccw(c1272.87,944.89) 1268.72,931.25 cw(c1272.87,944.89) C3.2@1258.61,944.89 ; C36.2@1119.24,910.26 ccw(c1091.78,937.72) 1130.61,937.72 cw(c1091.78,937.72) C36.2@1119.24,910.26 ; 1218.81,1222.89 cw(c1218.81,1198.09) 1236.35,1215.63 ccw(c1218.81,1198.09) 1218.81,1222.89 ; C17.2@1301.61,941.45 ccw(c1316.17,941.45) 1305.88,931.15 cw(c1316.17,941.45) C17.2@1301.61,941.45 ; 1493.23,1100.89 cw(c1493.23,1079.5) 1508.35,1094.63 ccw(c1493.23,1079.5) 1493.23,1100.89
3V3OUT1: C40.1 U6.17 | length 153
  Top Layer w10: C40.1@788,1395 831,1352 831,1260.08 U6.17@831.16,1259.92
3V3OUT2: C39.1 U5.17 | length 159.7
  Top Layer w10: v6(594,425) 611.84,442.84 U5.17@690.92,442.84
  Bottom Layer w10: C39.1@593,480 594,479 v6(594,425)
485_N: P2.8 P3.4 P4.4 P5.4 R18.1 R19.2 U7.7 | length 3456.6
  Top Layer w15: R18.1@278.96,1490 R19.2@365.68,1490 ; U7.7@372.39,1325.47 372.39,1376.89 384.89,1389.39 384.89,1443.69 365.68,1462.89 R19.2@365.68,1490 ; P4.4@2204.72,2185.04 2125.76,2264 1693.13,2264 P5.4@1614.17,2185.04 1535.21,2264 1102.58,2264 P3.4@1023.62,2185.04 985,2223.66 985,2332.36 926.36,2391 422,2391 391,2360 391,2316.98 P2.8@359.06,2285.04 409.09,2235 491,2235 549,2177 549,1745.86 383.5,1580.36 383.5,1507.81 R19.2@365.68,1490
485_P: P2.10 P3.3 P4.3 P5.3 R19.1 R20.2 U7.6 | length 3300.8
  Top Layer w15: U7.6@422.39,1325.47 422.39,1376.89 409.89,1389.39 409.89,1446.46 426.31,1462.89 R19.1@426.31,1489.43 ; R20.2@507.39,1489.43 R19.1@426.31,1489.43 ; P4.3@2106.3,2185.04 2025.26,2104 1596.79,2104 P5.3@1515.75,2185.04 1430.71,2100 1010.24,2100 P3.3@925.2,2185.04 960,2219.84 960,2322 916,2366 438,2366 421.56,2349.56 421.56,2322.54 P2.10@459.06,2285.04 477.96,2285.04 574,2189 574,1735.5 408.5,1570 408.5,1507.81 426.31,1490 R19.1@426.31,1489.43
+5V_MIDDLE: C14.2 FB3.1 P1.1 P1.3 | length 417.4
  Top Layer w30: C14.2@-96.11,1843.39 -96.11,1924.69
  Top Layer w50: FB3.1@-177,1929.13 59.06,1929.13 P1.3@159.06,1929.13
  other v1: -185.61,1917.11 -158.61,1917.11 -185.61,1943.11 -158.61,1943.11
ADAPTERIN: C11.2 C18.1 C19.1 C20.1 C30.1 C37.1 C42.2 C44.2 C47.2 D5.1 F2.2 FB1.2 FB2.2 FB3.2 FB4.2 J3.1 R1.1 R6.1 R11.1 U3.19 U3.38 | length 12733.2
  Top Layer w10: v1(488,115) 565,115 R11.1@566,114
  Top Layer w20: FB4.2@203.09,301.27 FB4.2@203.79,300.57 ; R6.1@2043.61,134.89 2043.72,135 v1(2108,135) ; R1.1@2136.11,984.9 2189.9,984.9 2253,1048 2324,1048 v6(2325,1047)
  Top Layer w30: 921,452 C11.2@980,452 ; v5(976,-42) 1407,-42 ccw(c1407,-16) 1433,-16 1433,54.3 cw(c1482.28,54.3) J3.1@1482.28,103.58
  Top Layer w40: v5(120,299) FB4.2@202.69,299
  Top Layer w50: FB4.2@203.09,301.27 C47.2@203.09,372.57 ; 921,199 921,452 921,740 1019.89,838.89 C30.1@1055.61,838.89 ; D5.1@2025,548.57 2120.43,548.57 2121,548
  Bottom Layer w10: 488,18 v1(488,115)
  Bottom Layer w20: 2091,578 2325,812 v6(2325,1047) ; v1(2108,135) 2181,135 ; C18.1@2617.53,143.69 C18.1@2618.23,143
  Bottom Layer w30: v5(976,-42) v5@976.5,-41.5 ; FB1.2@2507,143.69 C18.1@2617.53,143.69 ; C18.1@2618.23,143 2618.23,17.77 2620,16 ; C19.1@2758.77,2394 2767.77,2385 FB2.2@2864.69,2385 ; C42.2@3151.09,972.57 C44.2@3151.09,1061.57 3201.09,1061.57 F2.2@3232.13,1061.57
  Bottom Layer w40: 67.5,246.5 v5(120,299) ; 1722,770 C37.1@1768,770
  Bottom Layer w50: -174,1844 -172,1842 -172,486 67.5,246.5 299,15 919,15 ; 921,205.54 921,17 919,15 ; C37.1@1768,770 1768,720 1822,666 2003,666 2091,578 2181,488 2181,135 2181,18 2031,-132 1067,-132 976.5,-41.5 920,15 919,15 ; 2185,16 2620,16 2912.52,16 3405,508.48 3405,2095 3032,2468 2798,2468 C19.1@2756.77,2426.77
  Bottom Layer w70: 3201.09,1061.57 3201.09,1105.57 3276.09,1180.57 3398.09,1180.57
  other v1: 909,191 932,191 909,212 932,212 2103.61,535.89 2130.61,535.89 2103.61,561.89 2130.61,561.89 -185.61,1834.11 -158.61,1834.11 -185.61,1860.11 -158.61,1860.11
  other v2: 1716,752 1714,788
AMB2: U1.5 U3.34 | length 735.4
  Top Layer w6: U3.34@1444.35,891.72 1444.35,854.65 1448,851 1448,826 1568,706 1665,706 1852,519 U1.5@1852,382
AMB3: U1.6 U3.33 | length 815.9
  Top Layer w6: U3.33@1428.61,891.72 1428.61,850.39 1435,844 1435,817 1559,693 1659,693 1795,557 1795,351 1814,332 U1.6@1852,332
AMB4: U1.1 U3.32 | length 1235.1
  Top Layer w6: U3.32@1412.86,891.72 1412.86,846.14 1423,836 1423,808 1550,681 1651,681 1771,561 1771,214 1804,181 2045,181 2072,208 U1.1@2072,232
COREPWRDN: U3.46